# KiCad board F02-Func-Decoder-p.kicad_pcb (continued)
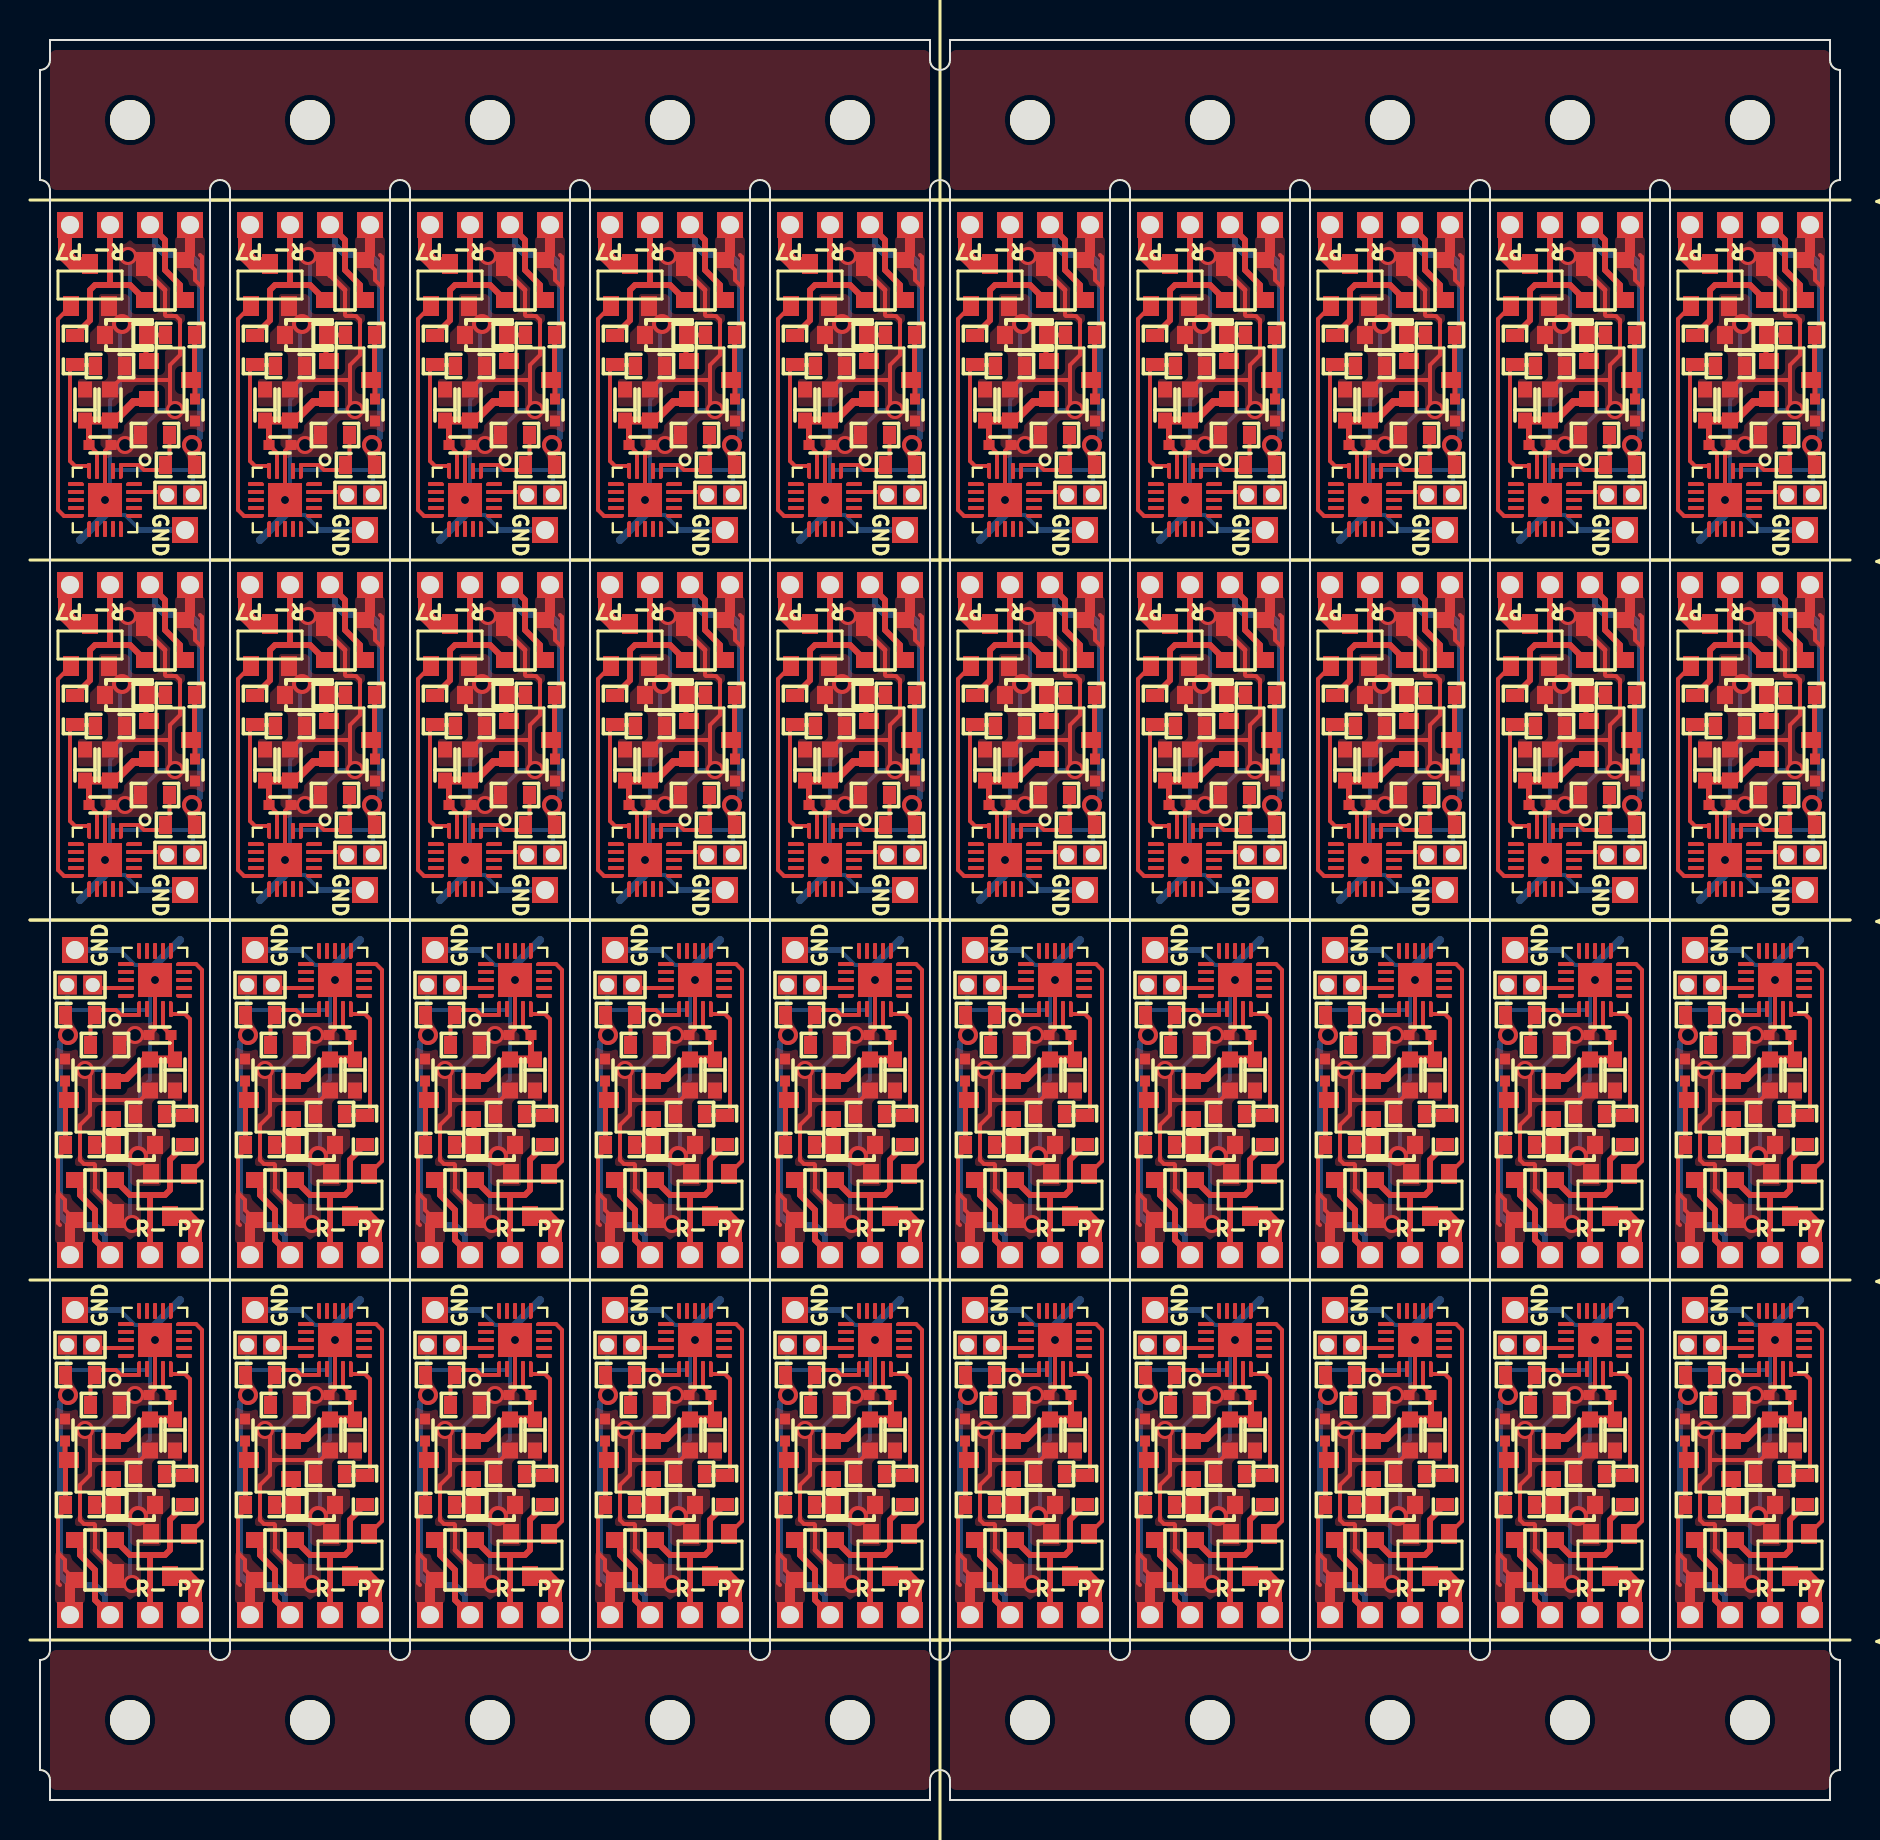
[diagram p0: board, top side]
## Nets (continued)
ABC-: U1.17 U1#2.17 U1#3.17 U1#4.17 U1#5.17 U1#6.17 U1#7.17 U1#8.17 U1#9.17 U1#10.17 U1#11.17 U1#12.17 U1#13.17 U1#14.17 U1#15.17 U1#16.17 U1#17.17 U1#18.17 U1#19.17 U1#20.17 U1#21.17 U1#22.17 U1#23.17 U1#24.17 U1#25.17 U1#26.17 U1#27.17 U1#28.17 U1#29.17 U1#30.17 U1#31.17 U1#32.17 U1#33.17 U1#34.17 U1#35.17 U1#36.17 U1#37.17 U1#38.17 U1#39.17 U1#40.17
BEMF: U1.20 U1#2.20 U1#3.20 U1#4.20 U1#5.20 U1#6.20 U1#7.20 U1#8.20 U1#9.20 U1#10.20 U1#11.20 U1#12.20 U1#13.20 U1#14.20 U1#15.20 U1#16.20 U1#17.20 U1#18.20 U1#19.20 U1#20.20 U1#21.20 U1#22.20 U1#23.20 U1#24.20 U1#25.20 U1#26.20 U1#27.20 U1#28.20 U1#29.20 U1#30.20 U1#31.20 U1#32.20 U1#33.20 U1#34.20 U1#35.20 U1#36.20 U1#37.20 U1#38.20 U1#39.20 U1#40.20
DIR_JP: U1.13 U1#2.13 U1#3.13 U1#4.13 U1#5.13 U1#6.13 U1#7.13 U1#8.13 U1#9.13 U1#10.13 U1#11.13 U1#12.13 U1#13.13 U1#14.13 U1#15.13 U1#16.13 U1#17.13 U1#18.13 U1#19.13 U1#20.13 U1#21.13 U1#22.13 U1#23.13 U1#24.13 U1#25.13 U1#26.13 U1#27.13 U1#28.13 U1#29.13 U1#30.13 U1#31.13 U1#32.13 U1#33.13 U1#34.13 U1#35.13 U1#36.13 U1#37.13 U1#38.13 U1#39.13 U1#40.13
Func1: U1.2 U1#2.2 U1#3.2 U1#4.2 U1#5.2 U1#6.2 U1#7.2 U1#8.2 U1#9.2 U1#10.2 U1#11.2 U1#12.2 U1#13.2 U1#14.2 U1#15.2 U1#16.2 U1#17.2 U1#18.2 U1#19.2 U1#20.2 U1#21.2 U1#22.2 U1#23.2 U1#24.2 U1#25.2 U1#26.2 U1#27.2 U1#28.2 U1#29.2 U1#30.2 U1#31.2 U1#32.2 U1#33.2 U1#34.2 U1#35.2 U1#36.2 U1#37.2 U1#38.2 U1#39.2 U1#40.2
Func2: U1.16 U1#2.16 U1#3.16 U1#4.16 U1#5.16 U1#6.16 U1#7.16 U1#8.16 U1#9.16 U1#10.16 U1#11.16 U1#12.16 U1#13.16 U1#14.16 U1#15.16 U1#16.16 U1#17.16 U1#18.16 U1#19.16 U1#20.16 U1#21.16 U1#22.16 U1#23.16 U1#24.16 U1#25.16 U1#26.16 U1#27.16 U1#28.16 U1#29.16 U1#30.16 U1#31.16 U1#32.16 U1#33.16 U1#34.16 U1#35.16 U1#36.16 U1#37.16 U1#38.16 U1#39.16 U1#40.16
Func3: U1.8 U1#2.8 U1#3.8 U1#4.8 U1#5.8 U1#6.8 U1#7.8 U1#8.8 U1#9.8 U1#10.8 U1#11.8 U1#12.8 U1#13.8 U1#14.8 U1#15.8 U1#16.8 U1#17.8 U1#18.8 U1#19.8 U1#20.8 U1#21.8 U1#22.8 U1#23.8 U1#24.8 U1#25.8 U1#26.8 U1#27.8 U1#28.8 U1#29.8 U1#30.8 U1#31.8 U1#32.8 U1#33.8 U1#34.8 U1#35.8 U1#36.8 U1#37.8 U1#38.8 U1#39.8 U1#40.8
Func4: U1.11 U1#2.11 U1#3.11 U1#4.11 U1#5.11 U1#6.11 U1#7.11 U1#8.11 U1#9.11 U1#10.11 U1#11.11 U1#12.11 U1#13.11 U1#14.11 U1#15.11 U1#16.11 U1#17.11 U1#18.11 U1#19.11 U1#20.11 U1#21.11 U1#22.11 U1#23.11 U1#24.11 U1#25.11 U1#26.11 U1#27.11 U1#28.11 U1#29.11 U1#30.11 U1#31.11 U1#32.11 U1#33.11 U1#34.11 U1#35.11 U1#36.11 U1#37.11 U1#38.11 U1#39.11 U1#40.11
Func5: U1.9 U1#2.9 U1#3.9 U1#4.9 U1#5.9 U1#6.9 U1#7.9 U1#8.9 U1#9.9 U1#10.9 U1#11.9 U1#12.9 U1#13.9 U1#14.9 U1#15.9 U1#16.9 U1#17.9 U1#18.9 U1#19.9 U1#20.9 U1#21.9 U1#22.9 U1#23.9 U1#24.9 U1#25.9 U1#26.9 U1#27.9 U1#28.9 U1#29.9 U1#30.9 U1#31.9 U1#32.9 U1#33.9 U1#34.9 U1#35.9 U1#36.9 U1#37.9 U1#38.9 U1#39.9 U1#40.9
Func6: U1.15 U1#2.15 U1#3.15 U1#4.15 U1#5.15 U1#6.15 U1#7.15 U1#8.15 U1#9.15 U1#10.15 U1#11.15 U1#12.15 U1#13.15 U1#14.15 U1#15.15 U1#16.15 U1#17.15 U1#18.15 U1#19.15 U1#20.15 U1#21.15 U1#22.15 U1#23.15 U1#24.15 U1#25.15 U1#26.15 U1#27.15 U1#28.15 U1#29.15 U1#30.15 U1#31.15 U1#32.15 U1#33.15 U1#34.15 U1#35.15 U1#36.15 U1#37.15 U1#38.15 U1#39.15 U1#40.15
Func7: Qe.1 Qe#2.1 Qe#3.1 Qe#4.1 Qe#5.1 Qe#6.1 Qe#7.1 Qe#8.1 Qe#9.1 Qe#10.1 Qe#11.1 Qe#12.1 Qe#13.1 Qe#14.1 Qe#15.1 Qe#16.1 Qe#17.1 Qe#18.1 Qe#19.1 Qe#20.1 Qe#21.1 Qe#22.1 Qe#23.1 Qe#24.1 Qe#25.1 Qe#26.1 Qe#27.1 Qe#28.1 Qe#29.1 Qe#30.1 Qe#31.1 Qe#32.1 Qe#33.1 Qe#34.1 Qe#35.1 Qe#36.1 Qe#37.1 Qe#38.1 Qe#39.1 Qe#40.1 U1.10 U1#2.10 U1#3.10 U1#4.10 U1#5.10 U1#6.10 U1#7.10 U1#8.10 U1#9.10 U1#10.10 U1#11.10 U1#12.10 U1#13.10 U1#14.10 U1#15.10 U1#16.10 U1#17.10 U1#18.10 U1#19.10 U1#20.10 U1#21.10 U1#22.10 U1#23.10 U1#24.10 U1#25.10 U1#26.10 U1#27.10 U1#28.10 U1#29.10 U1#30.10 U1#31.10 U1#32.10 U1#33.10 U1#34.10 U1#35.10 U1#36.10 U1#37.10 U1#38.10 U1#39.10 U1#40.10
FWD: U1.7 U1#2.7 U1#3.7 U1#4.7 U1#5.7 U1#6.7 U1#7.7 U1#8.7 U1#9.7 U1#10.7 U1#11.7 U1#12.7 U1#13.7 U1#14.7 U1#15.7 U1#16.7 U1#17.7 U1#18.7 U1#19.7 U1#20.7 U1#21.7 U1#22.7 U1#23.7 U1#24.7 U1#25.7 U1#26.7 U1#27.7 U1#28.7 U1#29.7 U1#30.7 U1#31.7 U1#32.7 U1#33.7 U1#34.7 U1#35.7 U1#36.7 U1#37.7 U1#38.7 U1#39.7 U1#40.7
PWM: U1.14 U1#2.14 U1#3.14 U1#4.14 U1#5.14 U1#6.14 U1#7.14 U1#8.14 U1#9.14 U1#10.14 U1#11.14 U1#12.14 U1#13.14 U1#14.14 U1#15.14 U1#16.14 U1#17.14 U1#18.14 U1#19.14 U1#20.14 U1#21.14 U1#22.14 U1#23.14 U1#24.14 U1#25.14 U1#26.14 U1#27.14 U1#28.14 U1#29.14 U1#30.14 U1#31.14 U1#32.14 U1#33.14 U1#34.14 U1#35.14 U1#36.14 U1#37.14 U1#38.14 U1#39.14 U1#40.14
RAIL+: D1.3 D1#2.3 D1#3.3 D1#4.3 D1#5.3 D1#6.3 D1#7.3 D1#8.3 D1#9.3 D1#10.3 D1#11.3 D1#12.3 D1#13.3 D1#14.3 D1#15.3 D1#16.3 D1#17.3 D1#18.3 D1#19.3 D1#20.3 D1#21.3 D1#22.3 D1#23.3 D1#24.3 D1#25.3 D1#26.3 D1#27.3 D1#28.3 D1#29.3 D1#30.3 D1#31.3 D1#32.3 D1#33.3 D1#34.3 D1#35.3 D1#36.3 D1#37.3 D1#38.3 D1#39.3 D1#40.3 P1.1 P1#2.1 P1#3.1 P1#4.1 P1#5.1 P1#6.1 P1#7.1 P1#8.1 P1#9.1 P1#10.1 P1#11.1 P1#12.1 P1#13.1 P1#14.1 P1#15.1 P1#16.1 P1#17.1 P1#18.1 P1#19.1 P1#20.1 P1#21.1 P1#22.1 P1#23.1 P1#24.1 P1#25.1 P1#26.1 P1#27.1 P1#28.1 P1#29.1 P1#30.1 P1#31.1 P1#32.1 P1#33.1 P1#34.1 P1#35.1 P1#36.1 P1#37.1 P1#38.1 P1#39.1 P1#40.1 R1.1 R1#2.1 R1#3.1 R1#4.1 R1#5.1 R1#6.1 R1#7.1 R1#8.1 R1#9.1 R1#10.1 R1#11.1 R1#12.1 R1#13.1 R1#14.1 R1#15.1 R1#16.1 R1#17.1 R1#18.1 R1#19.1 R1#20.1 R1#21.1 R1#22.1 R1#23.1 R1#24.1 R1#25.1 R1#26.1 R1#27.1 R1#28.1 R1#29.1 R1#30.1 R1#31.1 R1#32.1 R1#33.1 R1#34.1 R1#35.1 R1#36.1 R1#37.1 R1#38.1 R1#39.1 R1#40.1
RAIL-: D1.2 D1#2.2 D1#3.2 D1#4.2 D1#5.2 D1#6.2 D1#7.2 D1#8.2 D1#9.2 D1#10.2 D1#11.2 D1#12.2 D1#13.2 D1#14.2 D1#15.2 D1#16.2 D1#17.2 D1#18.2 D1#19.2 D1#20.2 D1#21.2 D1#22.2 D1#23.2 D1#24.2 D1#25.2 D1#26.2 D1#27.2 D1#28.2 D1#29.2 D1#30.2 D1#31.2 D1#32.2 D1#33.2 D1#34.2 D1#35.2 D1#36.2 D1#37.2 D1#38.2 D1#39.2 D1#40.2 P2.1 P2#2.1 P2#3.1 P2#4.1 P2#5.1 P2#6.1 P2#7.1 P2#8.1 P2#9.1 P2#10.1 P2#11.1 P2#12.1 P2#13.1 P2#14.1 P2#15.1 P2#16.1 P2#17.1 P2#18.1 P2#19.1 P2#20.1 P2#21.1 P2#22.1 P2#23.1 P2#24.1 P2#25.1 P2#26.1 P2#27.1 P2#28.1 P2#29.1 P2#30.1 P2#31.1 P2#32.1 P2#33.1 P2#34.1 P2#35.1 P2#36.1 P2#37.1 P2#38.1 P2#39.1 P2#40.1 R2.1 R2#2.1 R2#3.1 R2#4.1 R2#5.1 R2#6.1 R2#7.1 R2#8.1 R2#9.1 R2#10.1 R2#11.1 R2#12.1 R2#13.1 R2#14.1 R2#15.1 R2#16.1 R2#17.1 R2#18.1 R2#19.1 R2#20.1 R2#21.1 R2#22.1 R2#23.1 R2#24.1 R2#25.1 R2#26.1 R2#27.1 R2#28.1 R2#29.1 R2#30.1 R2#31.1 R2#32.1 R2#33.1 R2#34.1 R2#35.1 R2#36.1 R2#37.1 R2#38.1 R2#39.1 R2#40.1
REV: U1.18 U1#2.18 U1#3.18 U1#4.18 U1#5.18 U1#6.18 U1#7.18 U1#8.18 U1#9.18 U1#10.18 U1#11.18 U1#12.18 U1#13.18 U1#14.18 U1#15.18 U1#16.18 U1#17.18 U1#18.18 U1#19.18 U1#20.18 U1#21.18 U1#22.18 U1#23.18 U1#24.18 U1#25.18 U1#26.18 U1#27.18 U1#28.18 U1#29.18 U1#30.18 U1#31.18 U1#32.18 U1#33.18 U1#34.18 U1#35.18 U1#36.18 U1#37.18 U1#38.18 U1#39.18 U1#40.18
TXD: U1.12 U1#2.12 U1#3.12 U1#4.12 U1#5.12 U1#6.12 U1#7.12 U1#8.12 U1#9.12 U1#10.12 U1#11.12 U1#12.12 U1#13.12 U1#14.12 U1#15.12 U1#16.12 U1#17.12 U1#18.12 U1#19.12 U1#20.12 U1#21.12 U1#22.12 U1#23.12 U1#24.12 U1#25.12 U1#26.12 U1#27.12 U1#28.12 U1#29.12 U1#30.12 U1#31.12 U1#32.12 U1#33.12 U1#34.12 U1#35.12 U1#36.12 U1#37.12 U1#38.12 U1#39.12 U1#40.12
UPDI: P5.1 P5#2.1 P5#3.1 P5#4.1 P5#5.1 P5#6.1 P5#7.1 P5#8.1 P5#9.1 P5#10.1 P5#11.1 P5#12.1 P5#13.1 P5#14.1 P5#15.1 P5#16.1 P5#17.1 P5#18.1 P5#19.1 P5#20.1 P5#21.1 P5#22.1 P5#23.1 P5#24.1 P5#25.1 P5#26.1 P5#27.1 P5#28.1 P5#29.1 P5#30.1 P5#31.1 P5#32.1 P5#33.1 P5#34.1 P5#35.1 P5#36.1 P5#37.1 P5#38.1 P5#39.1 P5#40.1 U1.19 U1#2.19 U1#3.19 U1#4.19 U1#5.19 U1#6.19 U1#7.19 U1#8.19 U1#9.19 U1#10.19 U1#11.19 U1#12.19 U1#13.19 U1#14.19 U1#15.19 U1#16.19 U1#17.19 U1#18.19 U1#19.19 U1#20.19 U1#21.19 U1#22.19 U1#23.19 U1#24.19 U1#25.19 U1#26.19 U1#27.19 U1#28.19 U1#29.19 U1#30.19 U1#31.19 U1#32.19 U1#33.19 U1#34.19 U1#35.19 U1#36.19 U1#37.19 U1#38.19 U1#39.19 U1#40.19
Net-(D2-K): D2.1 D2#2.1 D2#3.1 D2#4.1 D2#5.1 D2#6.1 D2#7.1 D2#8.1 D2#9.1 D2#10.1 D2#11.1 D2#12.1 D2#13.1 D2#14.1 D2#15.1 D2#16.1 D2#17.1 D2#18.1 D2#19.1 D2#20.1 D2#21.1 D2#22.1 D2#23.1 D2#24.1 D2#25.1 D2#26.1 D2#27.1 D2#28.1 D2#29.1 D2#30.1 D2#31.1 D2#32.1 D2#33.1 D2#34.1 D2#35.1 D2#36.1 D2#37.1 D2#38.1 D2#39.1 D2#40.1 Q1.1 Q1#2.1 Q1#3.1 Q1#4.1 Q1#5.1 Q1#6.1 Q1#7.1 Q1#8.1 Q1#9.1 Q1#10.1 Q1#11.1 Q1#12.1 Q1#13.1 Q1#14.1 Q1#15.1 Q1#16.1 Q1#17.1 Q1#18.1 Q1#19.1 Q1#20.1 Q1#21.1 Q1#22.1 Q1#23.1 Q1#24.1 Q1#25.1 Q1#26.1 Q1#27.1 Q1#28.1 Q1#29.1 Q1#30.1 Q1#31.1 Q1#32.1 Q1#33.1 Q1#34.1 Q1#35.1 Q1#36.1 Q1#37.1 Q1#38.1 Q1#39.1 Q1#40.1 R5.2 R5#2.2 R5#3.2 R5#4.2 R5#5.2 R5#6.2 R5#7.2 R5#8.2 R5#9.2 R5#10.2 R5#11.2 R5#12.2 R5#13.2 R5#14.2 R5#15.2 R5#16.2 R5#17.2 R5#18.2 R5#19.2 R5#20.2 R5#21.2 R5#22.2 R5#23.2 R5#24.2 R5#25.2 R5#26.2 R5#27.2 R5#28.2 R5#29.2 R5#30.2 R5#31.2 R5#32.2 R5#33.2 R5#34.2 R5#35.2 R5#36.2 R5#37.2 R5#38.2 R5#39.2 R5#40.2
Net-(J1-Pin_1): J1.1 J1#2.1 J1#3.1 J1#4.1 J1#5.1 J1#6.1 J1#7.1 J1#8.1 J1#9.1 J1#10.1 J1#11.1 J1#12.1 J1#13.1 J1#14.1 J1#15.1 J1#16.1 J1#17.1 J1#18.1 J1#19.1 J1#20.1 J1#21.1 J1#22.1 J1#23.1 J1#24.1 J1#25.1 J1#26.1 J1#27.1 J1#28.1 J1#29.1 J1#30.1 J1#31.1 J1#32.1 J1#33.1 J1#34.1 J1#35.1 J1#36.1 J1#37.1 J1#38.1 J1#39.1 J1#40.1 Qe.3 Qe#2.3 Qe#3.3 Qe#4.3 Qe#5.3 Qe#6.3 Qe#7.3 Qe#8.3 Qe#9.3 Qe#10.3 Qe#11.3 Qe#12.3 Qe#13.3 Qe#14.3 Qe#15.3 Qe#16.3 Qe#17.3 Qe#18.3 Qe#19.3 Qe#20.3 Qe#21.3 Qe#22.3 Qe#23.3 Qe#24.3 Qe#25.3 Qe#26.3 Qe#27.3 Qe#28.3 Qe#29.3 Qe#30.3 Qe#31.3 Qe#32.3 Qe#33.3 Qe#34.3 Qe#35.3 Qe#36.3 Qe#37.3 Qe#38.3 Qe#39.3 Qe#40.3
Net-(U1-PA2): R1.2 R1#2.2 R1#3.2 R1#4.2 R1#5.2 R1#6.2 R1#7.2 R1#8.2 R1#9.2 R1#10.2 R1#11.2 R1#12.2 R1#13.2 R1#14.2 R1#15.2 R1#16.2 R1#17.2 R1#18.2 R1#19.2 R1#20.2 R1#21.2 R1#22.2 R1#23.2 R1#24.2 R1#25.2 R1#26.2 R1#27.2 R1#28.2 R1#29.2 R1#30.2 R1#31.2 R1#32.2 R1#33.2 R1#34.2 R1#35.2 R1#36.2 R1#37.2 R1#38.2 R1#39.2 R1#40.2 R3.1 R3#2.1 R3#3.1 R3#4.1 R3#5.1 R3#6.1 R3#7.1 R3#8.1 R3#9.1 R3#10.1 R3#11.1 R3#12.1 R3#13.1 R3#14.1 R3#15.1 R3#16.1 R3#17.1 R3#18.1 R3#19.1 R3#20.1 R3#21.1 R3#22.1 R3#23.1 R3#24.1 R3#25.1 R3#26.1 R3#27.1 R3#28.1 R3#29.1 R3#30.1 R3#31.1 R3#32.1 R3#33.1 R3#34.1 R3#35.1 R3#36.1 R3#37.1 R3#38.1 R3#39.1 R3#40.1 U1.1 U1#2.1 U1#3.1 U1#4.1 U1#5.1 U1#6.1 U1#7.1 U1#8.1 U1#9.1 U1#10.1 U1#11.1 U1#12.1 U1#13.1 U1#14.1 U1#15.1 U1#16.1 U1#17.1 U1#18.1 U1#19.1 U1#20.1 U1#21.1 U1#22.1 U1#23.1 U1#24.1 U1#25.1 U1#26.1 U1#27.1 U1#28.1 U1#29.1 U1#30.1 U1#31.1 U1#32.1 U1#33.1 U1#34.1 U1#35.1 U1#36.1 U1#37.1 U1#38.1 U1#39.1 U1#40.1
Net-(U1-PA4): R2.2 R2#2.2 R2#3.2 R2#4.2 R2#5.2 R2#6.2 R2#7.2 R2#8.2 R2#9.2 R2#10.2 R2#11.2 R2#12.2 R2#13.2 R2#14.2 R2#15.2 R2#16.2 R2#17.2 R2#18.2 R2#19.2 R2#20.2 R2#21.2 R2#22.2 R2#23.2 R2#24.2 R2#25.2 R2#26.2 R2#27.2 R2#28.2 R2#29.2 R2#30.2 R2#31.2 R2#32.2 R2#33.2 R2#34.2 R2#35.2 R2#36.2 R2#37.2 R2#38.2 R2#39.2 R2#40.2 R4.1 R4#2.1 R4#3.1 R4#4.1 R4#5.1 R4#6.1 R4#7.1 R4#8.1 R4#9.1 R4#10.1 R4#11.1 R4#12.1 R4#13.1 R4#14.1 R4#15.1 R4#16.1 R4#17.1 R4#18.1 R4#19.1 R4#20.1 R4#21.1 R4#22.1 R4#23.1 R4#24.1 R4#25.1 R4#26.1 R4#27.1 R4#28.1 R4#29.1 R4#30.1 R4#31.1 R4#32.1 R4#33.1 R4#34.1 R4#35.1 R4#36.1 R4#37.1 R4#38.1 R4#39.1 R4#40.1 U1.5 U1#2.5 U1#3.5 U1#4.5 U1#5.5 U1#6.5 U1#7.5 U1#8.5 U1#9.5 U1#10.5 U1#11.5 U1#12.5 U1#13.5 U1#14.5 U1#15.5 U1#16.5 U1#17.5 U1#18.5 U1#19.5 U1#20.5 U1#21.5 U1#22.5 U1#23.5 U1#24.5 U1#25.5 U1#26.5 U1#27.5 U1#28.5 U1#29.5 U1#30.5 U1#31.5 U1#32.5 U1#33.5 U1#34.5 U1#35.5 U1#36.5 U1#37.5 U1#38.5 U1#39.5 U1#40.5

## Via types
v1: diameter 0.8, hole 0.4, Top to Bottom, 40 vias
v2: diameter 1, hole 0.6, Top to Bottom, 80 vias
v3: diameter 0.9, hole 0.6, Top to Bottom, 120 vias

## Routing (per net, layer and track width the routed paths; a pad name or vN(x,y) marks a point on that pad's centre or on a via; arc(x,y) is an arc through that point)
+5V: length 246.8
  Top w0.2: C1#34.1 69.15,20.65 U1#33.4 ; U1#18.4 56.85,67.35 C1#22.1 ; C1#7.1 33.15,20.65 U1#10.4 ; U1#17.4 78.15,38.65 C1#40.1 ; C1#6.1 24.15,38.65 U1#22.4 ; C1#15.1 65.85,67.35 U1#19.4 ; C1#19.1 69.15,38.65 U1#23.4 ; U1#8.4 60.15,38.65 C1#25.1 ; C1#3.1 38.85,67.35 U1#16.4 ; C1#36.1 56.85,49.35 U1#21.4 ; C1#24.1 47.85,67.35 U1#28.4 ; U1#25.4 20.85,49.35 C1#29.1 ; U1#35.4 2.85,49.35 C1#33.1 ; U1#27.4 6.15,20.65 C1#17.1 ; C1#31.1 6.15,38.65 U1#24.4 ; U1#12.4 11.85,49.35 C1#21.1 ; C1#16.1 83.85,49.35 U1#11.4 ; U1#9.4 38.85,49.35 C1#13.1 ; U1#32.4 47.85,49.35 C1#10.1 ; C1#2.1 29.85,67.35 U1#5.4 ; U1#3.4 51.15,20.65 C1#23.1 ; C1#4.1 60.15,20.65 U1#20.4 ; U1#31.4 29.85,49.35 C1#28.1 ; U1#7.4 78.15,20.65 C1#5.1 ; C1#35.1 74.85,49.35 U1.4 ; C1#37.1 11.85,67.35 U1#14.4 ; C1#14.1 15.15,38.65 U1#4.4 ; U1#40.4 65.85,49.35 C1#39.1 ; C1#27.1 15.15,20.65 U1#30.4 ; C1#8.1 51.15,38.65 U1#38.4 ; U1#6.4 42.15,38.65 C1.1 ; U1#26.4 2.85,67.35 C1#11.1 ; U1#39.4 87.15,38.65 C1#9.1 ; U1#36.4 24.15,20.65 C1#30.1 ; U1#37.4 33.15,38.65 C1#20.1 ; C1#26.1 20.85,67.35 U1#15.4 ; U1#29.4 83.85,67.35 C1#32.1 ; C1#12.1 42.15,20.65 U1#13.4 ; C1#38.1 87.15,20.65 U1#2.4 ; U1#34.4 74.85,67.35 C1#18.1
  Top w0.3: C1#7.1 33.55,19.22 C4#37.1 ; C4#2.1 15.55,19.22 C1#27.1 ; C4#17.1 20.45,50.78 C1#29.1 ; C1.1 42.55,37.22 C4#20.1 ; C1#13.1 38.45,50.78 C4#39.1 ; C1#37.1 11.45,68.78 C4#31.1 ; C1#10.1 47.45,50.78 C4#34.1 ; C1#12.1 42.55,19.22 C4#23.1 ; C1#24.1 47.45,68.78 C4#26.1 ; C1#33.1 2.45,50.78 C4#3.1 ; C1#38.1 87.55,19.22 C4#16.1 ; C1#26.1 20.45,68.78 C4#24.1 ; C1#30.1 24.55,19.22 C4#36.1 ; C4#8.1 78.55,37.22 C1#40.1 ; C4#9.1 60.55,37.22 C1#25.1 ; C4.1 78.55,19.22 C1#5.1 ; C4#6.1 74.45,68.78 C1#18.1 ; C1#19.1 69.55,37.22 C4#19.1 ; C4#27.1 74.45,50.78 C1#35.1 ; C1#16.1 83.45,50.78 C4#28.1 ; C1#22.1 56.45,68.78 C4#22.1 ; C4#25.1 65.45,50.78 C1#39.1 ; C1#34.1 69.55,19.22 C4#12.1 ; C1#6.1 24.55,37.22 C4#33.1 ; C1#11.1 2.45,68.78 C4#32.1 ; C4#21.1 65.45,68.78 C1#15.1 ; C1#9.1 87.55,37.22 C4#10.1 ; C1#36.1 56.45,50.78 C4#35.1 ; C4#29.1 15.55,37.22 C1#14.1 ; C4#40.1 6.55,19.22 C1#17.1 ; C4#11.1 6.55,37.22 C1#31.1 ; C1#3.1 38.45,68.78 C4#15.1 ; C1#28.1 29.45,50.78 C4#7.1 ; C1#21.1 11.45,50.78 C4#18.1 ; C4#30.1 33.55,37.22 C1#20.1 ; C1#8.1 51.55,37.22 C4#5.1 ; C4#4.1 51.55,19.22 C1#23.1 ; C1#4.1 60.55,19.22 C4#38.1 ; C1#2.1 29.45,68.78 C4#13.1 ; C4#14.1 83.45,68.78 C1#32.1
  Top w0.4: 24.5,37.03 23.25,37.03 22.32,36.1 21.7,36.1 Q1#3.2 ; 74.5,68.97 75.75,68.97 76.68,69.9 77.3,69.9 Q1#9.2 ; Q1#35.2 84.7,18.1 85.32,18.1 86.25,19.03 87.5,19.03 ; Q1#20.2 86.3,69.9 85.68,69.9 84.75,68.97 83.5,68.97 ; 6.5,19.03 5.25,19.03 4.33,18.1 3.7,18.1 Q1#27.2 ; 11.5,50.97 12.75,50.97 13.67,51.9 14.3,51.9 Q1#5.2 ; Q1#25.2 68.3,69.9 67.68,69.9 66.75,68.97 65.5,68.97 ; 33.5,37.03 32.25,37.03 31.32,36.1 30.7,36.1 Q1#30.2 ; 20.5,68.97 21.75,68.97 22.68,69.9 23.3,69.9 Q1#38.2 ; Q1#34.2 59.3,69.9 58.68,69.9 57.75,68.97 56.5,68.97 ; Q1#15.2 39.7,36.1 40.32,36.1 41.25,37.03 42.5,37.03 ; Q1#22.2 30.7,18.1 31.32,18.1 32.25,19.03 33.5,19.03 ; 2.5,50.97 3.75,50.97 4.67,51.9 5.3,51.9 Q1#39.2 ; 78.5,37.03 77.25,37.03 76.32,36.1 75.7,36.1 Q1#10.2 ; 42.5,19.03 41.25,19.03 40.32,18.1 39.7,18.1 Q1#33.2 ; 74.5,50.97 75.75,50.97 76.68,51.9 77.3,51.9 Q1#26.2 ; 29.5,50.97 30.75,50.97 31.68,51.9 32.3,51.9 Q1#23.2 ; Q1#24.2 23.3,51.9 22.68,51.9 21.75,50.97 20.5,50.97 ; Q1#4.2 66.7,18.1 67.32,18.1 68.25,19.03 69.5,19.03 ; Q1#2.2 68.3,51.9 67.68,51.9 66.75,50.97 65.5,50.97 ; Q1#31.2 50.3,51.9 49.68,51.9 48.75,50.97 47.5,50.97 ; Q1#6.2 59.3,51.9 58.68,51.9 57.75,50.97 56.5,50.97 ; 38.5,50.97 39.75,50.97 40.68,51.9 41.3,51.9 Q1#16.2 ; 15.5,37.03 14.25,37.03 13.33,36.1 12.7,36.1 Q1#7.2 ; 47.5,68.97 48.75,68.97 49.68,69.9 50.3,69.9 Q1#40.2 ; Q1#36.2 21.7,18.1 22.32,18.1 23.25,19.03 24.5,19.03 ; 15.5,19.03 14.25,19.03 13.33,18.1 12.7,18.1 Q1#13.2 ; Q1#37.2 5.3,69.9 4.67,69.9 3.75,68.97 2.5,68.97 ; 29.5,68.97 30.75,68.97 31.68,69.9 32.3,69.9 Q1#17.2 ; 83.5,50.97 84.75,50.97 85.68,51.9 86.3,51.9 Q1#28.2 ; Q1#8.2 14.3,69.9 13.67,69.9 12.75,68.97 11.5,68.97 ; 87.5,37.03 86.25,37.03 85.32,36.1 84.7,36.1 Q1#29.2 ; 60.5,37.03 59.25,37.03 58.32,36.1 57.7,36.1 Q1#14.2 ; Q1#32.2 66.7,36.1 67.32,36.1 68.25,37.03 69.5,37.03 ; Q1#21.2 48.7,36.1 49.32,36.1 50.25,37.03 51.5,37.03 ; 6.5,37.03 5.25,37.03 4.33,36.1 3.7,36.1 Q1#11.2 ; 38.5,68.97 39.75,68.97 40.68,69.9 41.3,69.9 Q1#19.2 ; 51.5,19.03 50.25,19.03 49.32,18.1 48.7,18.1 Q1#12.2 ; 78.5,19.03 77.25,19.03 76.32,18.1 75.7,18.1 Q1.2 ; 60.5,19.03 59.25,19.03 58.32,18.1 57.7,18.1 Q1#18.2
+12V: length 446.2
  Top w0.2: 80.1,57.5 80.1,55.85 79.72,55.47 R5#22.1 ; 80.1,57.5 80.1,57.65 79.75,58 79.75,58.5 D1#6.4 ; 80.1,57.5 80.1,59.15 80,59.25 ; D1#28.4 88.75,58.5 88.75,58 89.1,57.65 89.1,57.5 ; 10,28.75 9.9,28.85 9.9,30.5 ; 89.1,75.5 89.1,77.15 89,77.25 ; 89.1,75.5 89.1,73.85 88.72,73.47 R5#14.1 ; 89.1,75.5 89.1,75.65 88.75,76 88.75,76.5 D1#13.4 ; D1#30.4 10.25,11.5 10.25,12 9.9,12.35 9.9,12.5 ; R5#40.1 46.28,14.53 45.9,14.15 45.9,12.5 ; 35,59.25 35.1,59.15 35.1,57.5 ; 37,28.75 36.9,28.85 36.9,30.5 ; 0.9,30.5 0.9,28.85 1,28.75 ; 0.9,30.5 0.9,30.35 1.25,30 1.25,29.5 D1#9.4 ; 0.9,30.5 0.9,32.15 1.28,32.53 R5.1 ; 62.1,57.5 62.1,57.65 61.75,58 61.75,58.5 D1#11.4 ; 62.1,57.5 62.1,55.85 61.72,55.47 R5#39.1 ; 62.1,57.5 62.1,59.15 62,59.25 ; 26.1,57.5 26.1,59.15 26,59.25 ; 26.1,57.5 26.1,57.65 25.75,58 25.75,58.5 D1#22.4 ; 26.1,57.5 26.1,55.85 25.72,55.47 R5#38.1 ; 37,10.75 36.9,10.85 36.9,12.5 ; 63.9,30.5 63.9,28.85 64,28.75 ; 63.9,30.5 63.9,32.15 64.28,32.53 R5#5.1 ; 63.9,30.5 63.9,30.35 64.25,30 64.25,29.5 D1#12.4 ; R5#10.1 52.72,55.47 53.1,55.85 53.1,57.5 ; D1#7.4 52.75,76.5 52.75,76 53.1,75.65 53.1,75.5 ; 35.1,57.5 35.1,55.85 34.72,55.47 R5#12.1 ; 35.1,57.5 35.1,57.65 34.75,58 34.75,58.5 D1#20.4 ; R5#31.1 37.28,32.53 36.9,32.15 36.9,30.5 ; R5#19.1 82.28,14.53 81.9,14.15 81.9,12.5 ; 53.1,75.5 53.1,73.85 52.72,73.47 R5#34.1 ; 53.1,75.5 53.1,77.15 53,77.25 ; 26,77.25 26.1,77.15 26.1,75.5 ; 45.9,12.5 45.9,12.35 46.25,12 46.25,11.5 D1#4.4 ; 45.9,12.5 45.9,10.85 46,10.75 ; 17.1,57.5 17.1,57.65 16.75,58 16.75,58.5 D1#24.4 ; 17.1,57.5 17.1,55.85 16.72,55.47 R5#28.1 ; 17.1,57.5 17.1,59.15 17,59.25 ; 72.9,12.5 72.9,14.15 73.28,14.53 R5#26.1 ; 72.9,12.5 72.9,10.85 73,10.75 ; 72.9,12.5 72.9,12.35 73.25,12 73.25,11.5 D1#26.4 ; R5#13.1 7.72,73.47 8.1,73.85 8.1,75.5 ; 9.9,12.5 9.9,10.85 10,10.75 ; 9.9,12.5 9.9,14.15 10.28,14.53 R5#21.1 ; R5#15.1 73.28,32.53 72.9,32.15 72.9,30.5 ; 36.9,30.5 36.9,30.35 37.25,30 37.25,29.5 D1#25.4 ; 17.1,75.5 17.1,73.85 16.72,73.47 R5#17.1 ; 17.1,75.5 17.1,77.15 17,77.25 ; 17.1,75.5 17.1,75.65 16.75,76 16.75,76.5 D1#32.4 ; D1#18.4 55.25,29.5 55.25,30 54.9,30.35 54.9,30.5 ; 82,10.75 81.9,10.85 81.9,12.5 ; R5#4.1 88.72,55.47 89.1,55.85 89.1,57.5 ; 55,10.75 54.9,10.85 54.9,12.5 ; 26.1,75.5 26.1,75.65 25.75,76 25.75,76.5 D1#17.4 ; 26.1,75.5 26.1,73.85 25.72,73.47 R5#9.1 ; 44.1,57.5 44.1,59.15 44,59.25 ; 44.1,57.5 44.1,55.85 43.72,55.47 R5#20.1 ; 44.1,57.5 44.1,57.65 43.75,58 43.75,58.5 D1#15.4 ; 36.9,12.5 36.9,14.15 37.28,14.53 R5#11.1 ; 36.9,12.5 36.9,12.35 37.25,12 37.25,11.5 D1#10.4 ; 18.9,12.5 18.9,12.35 19.25,12 19.25,11.5 D1#23.4 ; 18.9,12.5 18.9,10.85 19,10.75 ; 18.9,12.5 18.9,14.15 19.28,14.53 R5#30.1 ; 89.1,57.5 89.1,59.15 89,59.25 ; 54.9,12.5 54.9,14.15 55.28,14.53 R5#18.1 ; 54.9,12.5 54.9,12.35 55.25,12 55.25,11.5 D1#21.4 ; 44.1,75.5 44.1,73.85 43.72,73.47 R5#23.1 ; 44.1,75.5 44.1,77.15 44,77.25 ; 44.1,75.5 44.1,75.65 43.75,76 43.75,76.5 D1#14.4 ; 8.1,75.5 8.1,75.65 7.75,76 7.75,76.5 D1#5.4 ; 8.1,75.5 8.1,77.15 8,77.25 ; 63.9,12.5 63.9,10.85 64,10.75 ; 63.9,12.5 63.9,12.35 64.25,12 64.25,11.5 D1#3.4 ; 63.9,12.5 63.9,14.15 64.28,14.53 R5#27.1 ; D1#8.4 82.25,11.5 82.25,12 81.9,12.35 81.9,12.5 ; R5#8.1 55.28,32.53 54.9,32.15 54.9,30.5 ; D1#38.4 28.25,11.5 28.25,12 27.9,12.35 27.9,12.5 ; D1#37.4 7.75,58.5 7.75,58 8.1,57.65 8.1,57.5 ; 80.1,75.5 80.1,77.15 80,77.25 ; 80.1,75.5 80.1,73.85 79.72,73.47 R5#33.1 ; 80.1,75.5 80.1,75.65 79.75,76 79.75,76.5 D1#39.4 ; 71.1,75.5 71.1,77.15 71,77.25 ; 71.1,75.5 71.1,73.85 70.72,73.47 R5#6.1 ; 71.1,75.5 71.1,75.65 70.75,76 70.75,76.5 D1#33.4 ; 27.9,12.5 27.9,14.15 28.28,14.53 R5#24.1 ; 27.9,12.5 27.9,10.85 28,10.75 ; R5#3.1 10.28,32.53 9.9,32.15 9.9,30.5 ; 27.9,30.5 27.9,30.35 28.25,30 28.25,29.5 D1#34.4 ; 27.9,30.5 27.9,32.15 28.28,32.53 R5#7.1 ; 27.9,30.5 27.9,28.85 28,28.75 ; 72.9,30.5 72.9,30.35 73.25,30 73.25,29.5 D1#16.4 ; 72.9,30.5 72.9,28.85 73,28.75 ; 0.9,12.5 0.9,14.15 1.28,14.53 R5#29.1 ; 0.9,12.5 0.9,12.35 1.25,12 1.25,11.5 D1#40.4 ; 0.9,12.5 0.9,10.85 1,10.75 ; 9.9,30.5 9.9,30.35 10.25,30 10.25,29.5 D1#2.4 ; D1.4 52.75,58.5 52.75,58 53.1,57.65 53.1,57.5 ; 35.1,75.5 35.1,75.65 34.75,76 34.75,76.5 D1#29.4 ; 35.1,75.5 35.1,73.85 34.72,73.47 R5#36.1 ; 35.1,75.5 35.1,77.15 35,77.25 ; 81.9,30.5 81.9,32.15 82.28,32.53 R5#32.1 ; 81.9,30.5 81.9,28.85 82,28.75 ; 81.9,30.5 81.9,30.35 82.25,30 82.25,29.5 D1#35.4 ; R5#37.1 7.72,55.47 8.1,55.85 8.1,57.5 ; D1#31.4 46.25,29.5 46.25,30 45.9,30.35 45.9,30.5 ; 53.1,57.5 53.1,59.15 53,59.25 ; 54.9,30.5 54.9,28.85 55,28.75 ; 45.9,30.5 45.9,28.85 46,28.75 ; 45.9,30.5 45.9,32.15 46.28,32.53 R5#2.1 ; R5#25.1 70.72,55.47 71.1,55.85 71.1,57.5 ; 8.1,57.5 8.1,59.15 8,59.25 ; 62,77.25 62.1,77.15 62.1,75.5 ; 71.1,57.5 71.1,59.15 71,59.25 ; 71.1,57.5 71.1,57.65 70.75,58 70.75,58.5 D1#36.4 ; 62.1,75.5 62.1,73.85 61.72,73.47 R5#16.1 ; 62.1,75.5 62.1,75.65 61.75,76 61.75,76.5 D1#19.4 ; 19,28.75 18.9,28.85 18.9,30.5 ; 18.9,30.5 18.9,30.35 19.25,30 19.25,29.5 D1#27.4 ; 18.9,30.5 18.9,32.15 19.28,32.53 R5#35.1
  Top w0.25: R5#30.1 19.28,16.83 Q1#36.3 19.25,17.2 C2#21.1 ; R5#26.1 73.28,16.83 Q1.3 73.25,17.2 C2#25.1 ; C2#22.1 55.25,17.2 Q1#18.3 55.28,16.83 R5#18.1 ; R5#17.1 16.72,71.17 Q1#8.3 16.75,70.8 C2#3.1 ; C2.1 1.25,17.2 Q1#27.3 1.28,16.83 R5#29.1 ; R5#35.1 19.28,34.83 Q1#3.3 19.25,35.2 C2#26.1 ; R5#39.1 61.72,53.17 Q1#6.3 61.75,52.8 C2#2.1 ; C2#11.1 55.25,35.2 Q1#14.3 55.28,34.83 R5#8.1 ; C2#17.1 46.25,35.2 Q1#21.3 46.28,34.83 R5#2.1 ; R5#27.1 64.28,16.83 Q1#4.3 64.25,17.2 C2#15.1 ; C2#37.1 34.75,52.8 Q1#23.3 34.72,53.17 R5#12.1 ; R5#13.1 7.72,71.17 Q1#37.3 7.75,70.8 C2#14.1 ; C2#32.1 43.75,52.8 Q1#16.3 43.72,53.17 R5#20.1 ; R5#9.1 25.72,71.17 Q1#38.3 25.75,70.8 C2#30.1 ; C2#12.1 43.75,70.8 Q1#19.3 43.72,71.17 R5#23.1 ; C2#13.1 52.75,70.8 Q1#40.3 52.72,71.17 R5#34.1 ; C2#9.1 79.75,70.8 Q1#9.3 79.72,71.17 R5#33.1 ; C2#36.1 70.75,52.8 Q1#2.3 70.72,53.17 R5#25.1 ; R5#21.1 10.28,16.83 Q1#13.3 10.25,17.2 C2#28.1 ; R5#38.1 25.72,53.17 Q1#24.3 25.75,52.8 C2#24.1 ; C2#18.1 28.25,17.2 Q1#22.3 28.28,16.83 R5#24.1 ; R5#19.1 82.28,16.83 Q1#35.3 82.25,17.2 C2#7.1 ; R5#16.1 61.72,71.17 Q1#34.3 61.75,70.8 C2#27.1 ; R5#22.1 79.72,53.17 Q1#26.3 79.75,52.8 C2#39.1 ; R5.1 1.28,34.83 Q1#11.3 1.25,35.2 C2#19.1 ; R5#32.1 82.28,34.83 Q1#29.3 82.25,35.2 C2#33.1 ; C2#40.1 10.25,35.2 Q1#7.3 10.28,34.83 R5#3.1 ; C2#16.1 64.25,35.2 Q1#32.3 64.28,34.83 R5#5.1 ; R5#4.1 88.72,53.17 Q1#28.3 88.75,52.8 C2#34.1 ; R5#6.1 70.72,71.17 Q1#25.3 70.75,70.8 C2#38.1 ; R5#14.1 88.72,71.17 Q1#20.3 88.75,70.8 C2#35.1 ; C2#4.1 37.25,35.2 Q1#15.3 37.28,34.83 R5#31.1 ; R5#40.1 46.28,16.83 Q1#12.3 46.25,17.2 C2#10.1 ; C2#29.1 73.25,35.2 Q1#10.3 73.28,34.83 R5#15.1 ; C2#31.1 7.75,52.8 Q1#39.3 7.72,53.17 R5#37.1 ; R5#11.1 37.28,16.83 Q1#33.3 37.25,17.2 C2#5.1 ; R5#36.1 34.72,71.17 Q1#17.3 34.75,70.8 C2#6.1 ; C2#23.1 28.25,35.2 Q1#30.3 28.28,34.83 R5#7.1 ; C2#8.1 16.75,52.8 Q1#5.3 16.72,53.17 R5#28.1 ; R5#10.1 52.72,53.17 Q1#31.3 52.75,52.8 C2#20.1
  Top w0.5: 19.5,28.75 19.5,27 ; 7.5,59.25 7.5,61 ; 37.5,28.75 37.5,27 ; 34.5,59.25 34.5,61 ; 25.5,77.25 25.5,79 ; 19.5,10.75 19.5,9 ; 28.5,28.75 28.5,27 ; 52.5,59.25 52.5,61 ; 43.5,77.25 43.5,79 ; 7.5,77.25 7.5,79 ; 55.5,10.75 55.5,9 ; 10.5,10.75 10.5,9 ; 88.5,77.25 88.5,79 ; 70.5,59.25 70.5,61 ; 79.5,59.25 79.5,61 ; 46.5,28.75 46.5,27 ; 88.5,59.25 88.5,61 ; 1.5,28.75 1.5,27 ; 73.5,28.75 73.5,27 ; 73.5,10.75 73.5,9 ; 55.5,28.75 55.5,27 ; 46.5,10.75 46.5,9 ; 70.5,77.25 70.5,79 ; 82.5,10.75 82.5,9 ; 82.5,28.75 82.5,27 ; 16.5,77.25 16.5,79 ; 64.5,10.75 64.5,9 ; 16.5,59.25 16.5,61 ; 25.5,59.25 25.5,61 ; 10.5,28.75 10.5,27 ; 52.5,77.25 52.5,79 ; 64.5,28.75 64.5,27 ; 43.5,59.25 43.5,61 ; 37.5,10.75 37.5,9 ; 28.5,10.75 28.5,9 ; 79.5,77.25 79.5,79 ; 61.5,59.25 61.5,61 ; 1.5,10.75 1.5,9 ; 61.5,77.25 61.5,79 ; 34.5,77.25 34.5,79
GND: length 1842.1